# Altium PCB DIOT_Kasli_Adapter.PcbDoc (part 4 of 10) (continued)
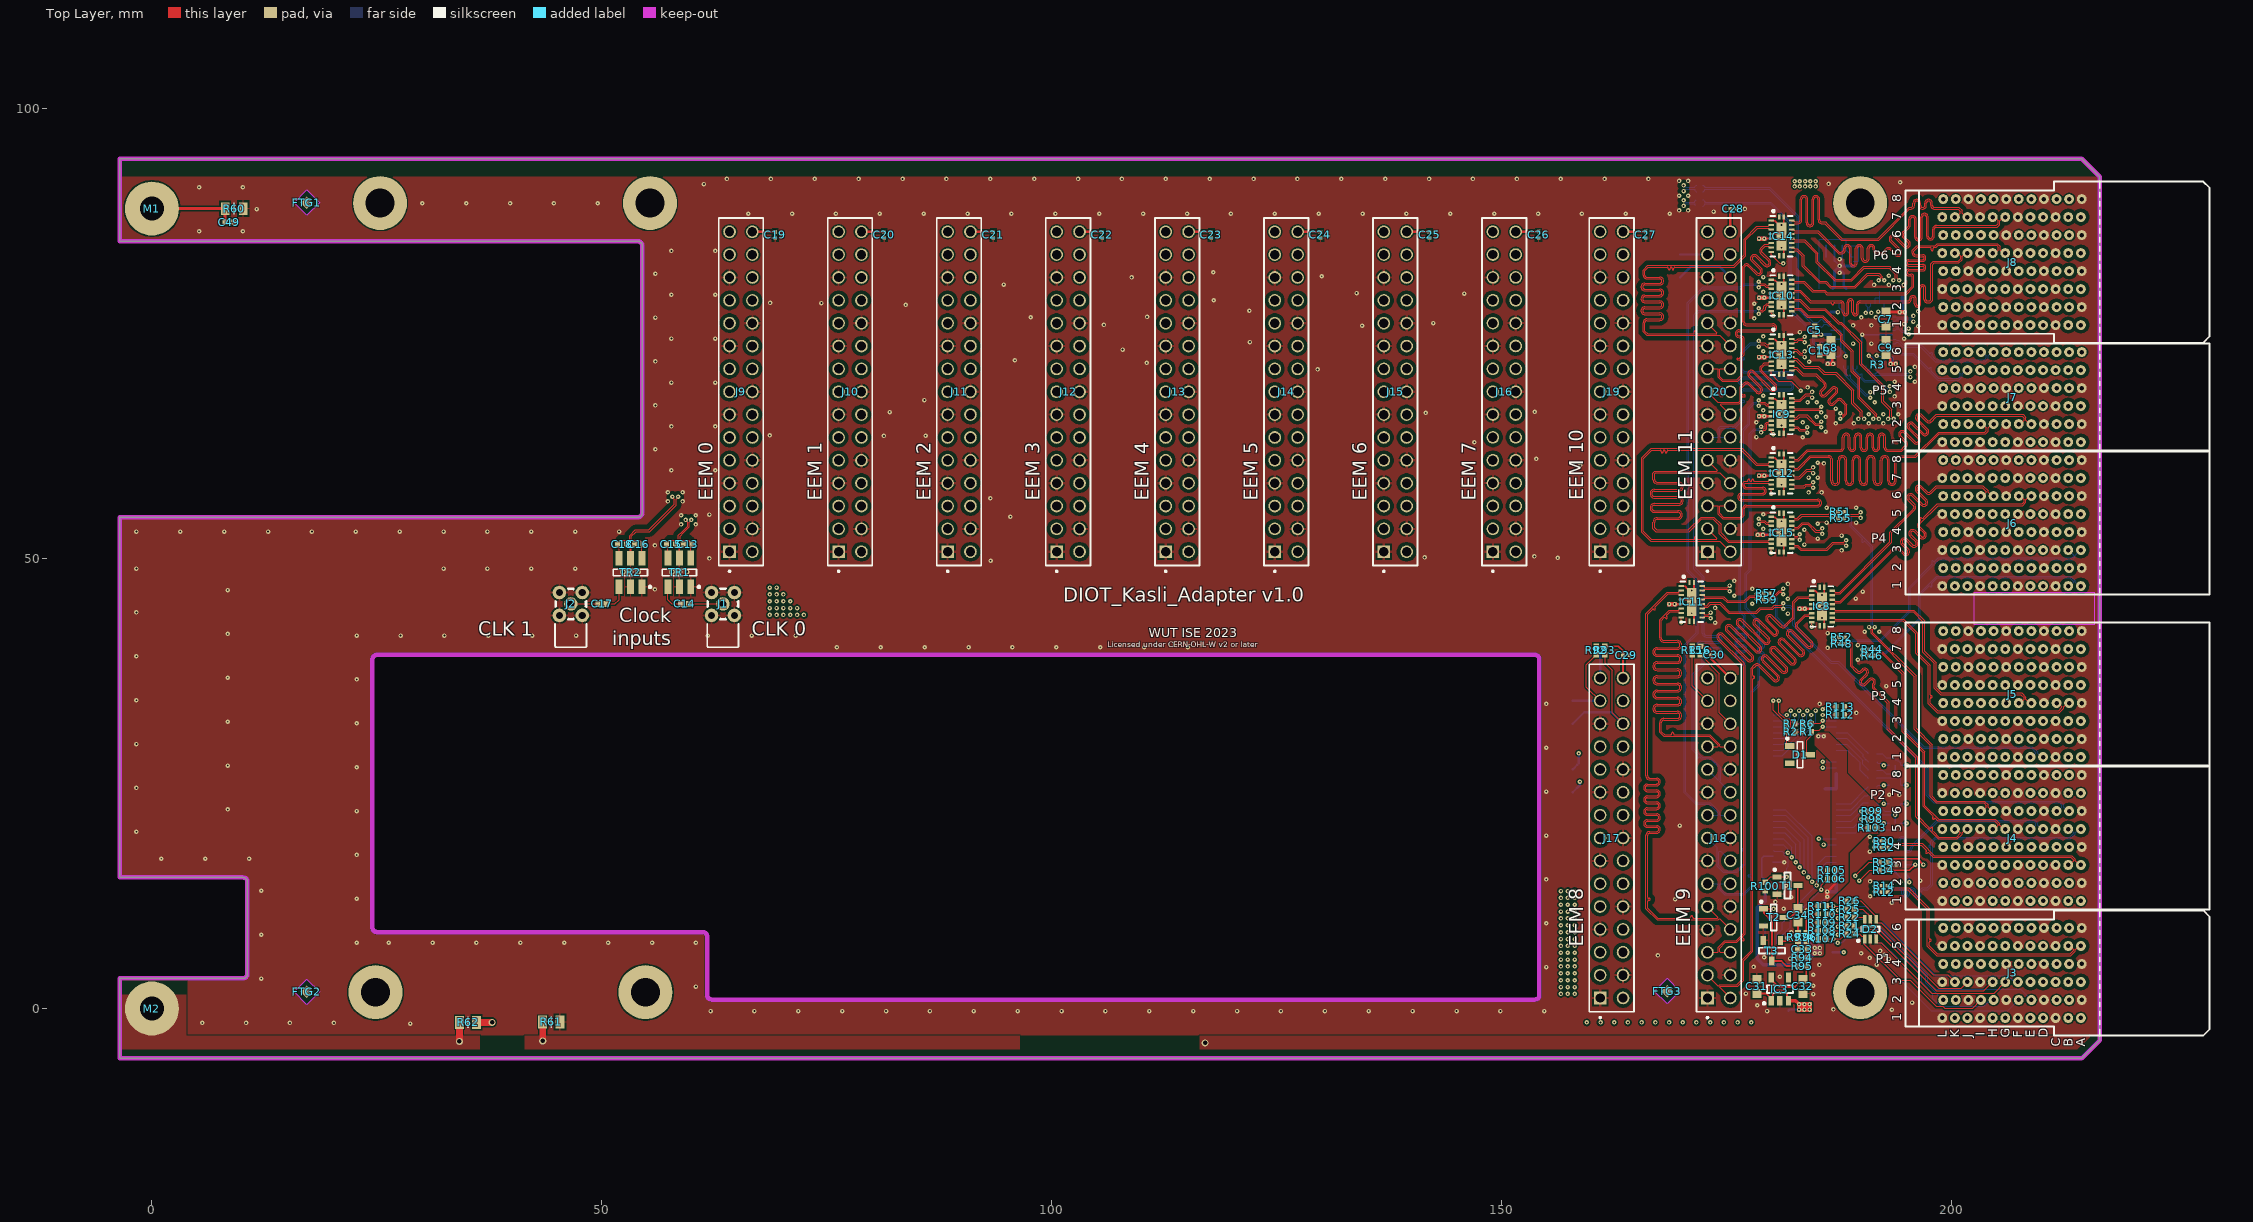
[diagram p0: Top Layer view]
## Nets (pads, with @x,y where several pads share a name; then routed paths per layer and width w, separated by ;. In a path a pad name is that pad's centre, name@x,y a point inside that pad or via, vN(x,y) a via of type N, cw(c..) or ccw(c..) an arc to the next point about the centre after c; other vN are vias at no path point) (continued)
EXT2.LVDS_5_N: J4.H3 J11.18 | length 165.5
  L3 w0.089: J11.18@90.968,71.082 89.851,71.082 89.799,71.03 89.799,70.535 90.4,69.934 91.973,69.934 92.246,69.934 ccw(c92.246,70.042) 92.354,70.042 92.354,70.077 cw(c92.462,70.077) 92.57,70.077 92.57,70.042 ccw(c92.678,70.042) 92.678,69.934 92.939,69.934 94.745,69.934 96.901,67.778 96.901,66.167 96.901,65.493 cw(c96.425,65.493) 96.425,65.017 95.954,65.017 ccw(c95.954,64.782) 95.954,64.547 97.158,64.547 cw(c97.158,64.07) 97.158,63.594 95.954,63.594 ccw(c95.954,63.359) 95.954,63.124 97.158,63.124 cw(c97.158,62.648) 97.158,62.172 95.954,62.172 ccw(c95.954,61.937) 95.954,61.702 97.158,61.702 cw(c97.158,61.226) 97.158,60.749 95.954,60.749 ccw(c95.954,60.514) 95.954,60.279 97.158,60.279 cw(c97.158,59.803) 97.158,59.327 95.954,59.327 ccw(c95.954,59.092) 95.954,58.857 96.425,58.857 cw(c96.425,58.381) 96.901,58.381 96.901,58.216 96.901,55.093 99.835,52.159 105.784,52.159 111.168,46.775 156.838,46.775 170.501,33.112 176.253,33.112 182.179,27.185 182.179,26.109 185.649,22.639 185.649,20.818 190.511,15.956 192.83,15.956 193.687,15.099 197.714,15.099 197.936,15.099 ccw(c197.936,15.207) 198.044,15.207 198.044,15.305 cw(c198.152,15.305) 198.26,15.305 198.26,15.207 ccw(c198.368,15.207) 198.368,15.099 198.628,15.099 204.99,15.099 205.148,15.257 205.148,15.371 205.115,15.404 J4.H3@204.569,15.95
EXT2.LVDS_5_P: J4.G3 J11.17 | length 165.5
  L3 w0.089: J11.17@88.428,71.082 89.505,71.082 89.557,71.03 89.557,70.435 90.3,69.693 94.645,69.693 96.66,67.678 96.66,66.167 96.66,65.493 cw(c96.425,65.493) 96.425,65.258 95.954,65.258 ccw(c95.954,64.782) 95.954,64.305 97.158,64.305 cw(c97.158,64.07) 97.158,63.835 95.954,63.835 ccw(c95.954,63.359) 95.954,62.883 97.158,62.883 cw(c97.158,62.648) 97.158,62.413 95.954,62.413 ccw(c95.954,61.937) 95.954,61.461 97.158,61.461 cw(c97.158,61.226) 97.158,60.991 95.954,60.991 ccw(c95.954,60.514) 95.954,60.038 97.158,60.038 cw(c97.158,59.803) 97.158,59.568 95.954,59.568 ccw(c95.954,59.092) 95.954,58.616 96.425,58.616 cw(c96.425,58.381) 96.66,58.381 96.66,58.216 96.66,54.993 99.735,51.918 105.684,51.918 111.068,46.534 156.738,46.534 170.401,32.871 176.153,32.871 181.938,27.085 181.938,26.009 185.407,22.539 185.407,20.718 190.411,15.715 192.73,15.715 193.587,14.857 205.09,14.857 205.389,15.157 205.389,15.371 J4.G3@205.969,15.95
EXT2.LVDS_6_N: J4.K3 J11.21 | length 165.5
  L10 w0.089: J11.21@88.428,76.162 89.576,75.014 89.757,75.014 89.826,75.083 92.263,75.083 94.499,72.847 94.499,71.552 94.499,71.387 ccw(c94.734,71.387) 94.734,71.152 95,71.152 cw(c95,70.675) 95,70.199 93.776,70.199 ccw(c93.776,69.964) 93.776,69.729 95,69.729 cw(c95,69.253) 95,68.777 93.776,68.777 ccw(c93.776,68.542) 93.776,68.307 95,68.307 cw(c95,67.831) 95,67.354 93.776,67.354 ccw(c93.776,67.119) 93.776,66.885 95,66.885 cw(c95,66.408) 95,65.932 93.776,65.932 ccw(c93.776,65.697) 93.776,65.462 95,65.462 cw(c95,64.986) 95,64.51 94.734,64.51 ccw(c94.734,64.275) 94.499,64.275 94.499,63.373 94.499,51.932 100.436,45.995 117.606,45.995 120.515,43.087 142.996,43.087 143.844,42.239 156.491,42.239 159.947,38.783 164.011,38.783 172.248,30.545 176.376,30.545 191.808,15.114 200.71,15.114 200.948,15.352 200.948,15.539 200.537,15.95 J4.K3@200.369,15.95
EXT2.LVDS_6_P: J4.J3 J11.20 | length 165.6
  L10 w0.089: J11.20@90.968,73.622 89.874,74.716 89.874,74.79 89.926,74.842 92.163,74.842 94.258,72.747 94.258,71.552 94.258,71.387 ccw(c94.734,71.387) 94.734,70.91 95,70.91 cw(c95,70.675) 95,70.441 93.776,70.441 ccw(c93.776,69.964) 93.776,69.488 95,69.488 cw(c95,69.253) 95,69.018 93.776,69.018 ccw(c93.776,68.542) 93.776,68.066 95,68.066 cw(c95,67.831) 95,67.596 93.776,67.596 ccw(c93.776,67.119) 93.776,66.643 95,66.643 cw(c95,66.408) 95,66.173 93.776,66.173 ccw(c93.776,65.697) 93.776,65.221 95,65.221 cw(c95,64.986) 95,64.751 94.734,64.751 ccw(c94.734,64.275) 94.258,64.275 94.258,63.373 94.258,51.832 100.336,45.754 117.506,45.754 120.415,42.846 142.896,42.846 143.744,41.998 156.391,41.998 159.847,38.541 163.911,38.541 172.148,30.304 176.276,30.304 191.708,14.873 200.81,14.873 201.189,15.252 201.189,15.559 201.581,15.95 J4.J3@201.769,15.95
EXT2.LVDS_7_N: J4.C4 J11.24 | length 165.6
  L10 w0.089: J11.24@90.968,78.702 89.871,78.702 89.819,78.65 89.819,78.129 90.265,77.683 92.124,77.683 92.193,77.614 92.352,77.455 ccw(c92.428,77.532) 92.504,77.455 92.541,77.493 cw(c92.618,77.416) 92.694,77.493 cw(c92.618,77.416) 92.694,77.34 92.657,77.303 ccw(c92.733,77.226) 92.657,77.15 92.841,76.966 97.749,72.058 97.749,51.019 101.308,47.46 117.513,47.46 120.908,44.065 143.295,44.065 144.169,43.191 157.574,43.191 160.551,40.213 164.663,40.213 171.778,33.098 178.408,33.098 182.563,28.943 186.46,28.943 191.434,23.969 191.434,20.452 194.797,17.089 197.434,17.089 197.606,17.089 ccw(c197.606,17.197) 197.714,17.197 197.714,17.302 cw(c197.822,17.302) 197.929,17.302 197.929,17.197 ccw(c198.037,17.197) 198.037,17.089 198.298,17.089 211.973,17.089 212.248,17.364 212.248,17.539 211.837,17.95 J4.C4@211.669,17.95
EXT2.LVDS_7_P: J4.B4 J11.23 | length 165.6
  L10 w0.089: J11.23@88.428,78.702 89.525,78.702 89.577,78.65 89.577,78.029 90.165,77.441 92.024,77.441 97.508,71.958 97.508,50.919 101.208,47.219 117.413,47.219 120.808,43.823 143.195,43.823 144.069,42.949 157.474,42.949 160.451,39.972 164.563,39.972 171.678,32.857 178.308,32.857 182.463,28.702 186.36,28.702 191.193,23.869 191.193,20.352 194.697,16.848 212.073,16.848 212.489,17.264 212.489,17.559 212.881,17.95 J4.B4@213.069,17.95
EXT3.LVDS_0_N: J4.F4 J12.3 | length 144.5
  L4 w0.089: J12.3@100.547,53.302 101.731,52.118 101.983,52.118 102.016,52.152 104.818,52.152 105.104,51.866 105.221,51.749 ccw(c105.387,51.915) 105.553,51.749 105.964,52.16 105.968,52.16 cw(c106.265,51.787) 106.602,52.124 cw(c106.265,51.787) 106.602,51.451 105.599,50.447 ; 105.598,50.115 cw(c105.764,50.281) 105.598,50.447 ; 105.598,50.114 ccw(c105.764,50.281) 105.93,50.115 106.97,51.154 106.974,51.154 cw(c107.271,50.782) 107.608,51.118 cw(c107.271,50.782) 107.608,50.445 106.604,49.442 ; 106.604,49.109 cw(c106.77,49.275) 106.604,49.441 ; 106.604,49.108 ccw(c106.77,49.275) 106.936,49.109 107.062,49.235 cw(c107.399,48.898) 107.735,49.235 108.178,48.792 108.322,48.648 117.475,48.648 117.64,48.648 ccw(c117.64,48.883) 117.875,48.883 117.875,49.502 cw(c118.351,49.502) 118.828,49.502 118.828,47.994 ccw(c119.063,47.994) 119.297,47.994 119.297,49.502 cw(c119.774,49.502) 120.25,49.502 120.25,47.994 ccw(c120.485,47.994) 120.72,47.994 120.72,49.502 cw(c121.196,49.502) 121.672,49.502 121.672,47.994 ccw(c121.907,47.994) 122.142,47.994 122.142,49.502 cw(c122.619,49.502) 123.095,49.502 123.095,48.883 ccw(c123.33,48.883) 123.33,48.648 123.901,48.648 130.42,48.648 133.976,45.091 159.914,45.091 169.436,35.569 177.218,35.569 183.95,28.836 186.158,28.836 187.152,27.842 187.152,27.158 197.183,17.127 207.85,17.127 208.048,17.325 208.048,17.487 207.585,17.95 J4.F4@207.469,17.95
EXT3.LVDS_0_P: J4.E4 J12.2 | length 144.4
  L4 w0.089: J12.2@103.087,50.762 102.064,51.785 102.064,51.858 102.116,51.91 104.718,51.91 104.934,51.695 105.05,51.579 ccw(c105.387,51.915) 105.724,51.578 106.099,51.953 ; 106.099,51.954 cw(c106.265,51.787) 106.431,51.954 cw(c106.265,51.787) 106.431,51.621 105.392,50.582 105.392,50.578 ccw(c105.764,50.281) 105.427,49.944 ccw(c105.764,50.281) 106.101,49.944 107.104,50.947 ; 107.105,50.948 cw(c107.271,50.782) 107.437,50.948 cw(c107.271,50.782) 107.437,50.616 106.398,49.576 106.398,49.572 ccw(c106.77,49.275) 107.107,48.938 107.232,49.064 cw(c107.399,48.898) 107.565,49.064 108.007,48.622 108.222,48.406 117.475,48.406 117.64,48.406 ccw(c117.64,48.883) 118.116,48.883 118.116,49.502 cw(c118.351,49.502) 118.586,49.502 118.586,47.994 ccw(c119.063,47.994) 119.539,47.994 119.539,49.502 cw(c119.774,49.502) 120.009,49.502 120.009,47.994 ccw(c120.485,47.994) 120.961,47.994 120.961,49.502 cw(c121.196,49.502) 121.431,49.502 121.431,47.994 ccw(c121.907,47.994) 122.384,47.994 122.384,49.502 cw(c122.619,49.502) 122.853,49.502 122.853,48.883 ccw(c123.33,48.883) 123.33,48.406 123.901,48.406 130.32,48.406 133.876,44.85 159.814,44.85 169.336,35.327 177.118,35.327 183.851,28.595 186.058,28.595 186.911,27.742 186.911,27.058 197.083,16.886 207.95,16.886 208.289,17.225 208.289,17.487 208.753,17.95 J4.E4@208.869,17.95
EXT3.LVDS_1_N: J4.I4 J12.6 | length 144.5
  L3 w0.089: J12.6@103.087,55.842 102.013,55.842 101.961,55.79 101.961,55.28 102.485,54.756 104.165,54.756 104.337,54.756 ccw(c104.337,54.864) 104.445,54.864 104.445,54.913 cw(c104.553,54.913) 104.661,54.913 104.661,54.864 ccw(c104.769,54.864) 104.769,54.756 105.029,54.756 106.091,54.756 106.421,54.427 106.538,54.31 ccw(c106.704,54.476) 106.87,54.31 107.343,54.784 107.347,54.784 cw(c107.645,54.412) 107.981,54.748 cw(c107.645,54.412) 107.981,54.075 107.52,53.614 ccw(c107.686,53.447) 107.519,53.281 ; 107.52,53.281 ccw(c107.686,53.447) 107.852,53.281 108.349,53.778 108.353,53.778 cw(c108.65,53.406) 108.987,53.743 cw(c108.65,53.406) 108.987,53.069 108.526,52.608 ccw(c108.692,52.441) 108.525,52.276 ; 108.526,52.275 ccw(c108.692,52.441) 108.858,52.275 109.355,52.772 109.359,52.772 cw(c109.656,52.4) 109.993,52.737 cw(c109.656,52.4) 109.993,52.063 109.532,51.602 ccw(c109.698,51.436) 109.531,51.27 ; 109.532,51.269 ccw(c109.698,51.436) 109.864,51.269 110.361,51.766 110.365,51.766 cw(c110.662,51.394) 110.999,51.731 cw(c110.662,51.394) 110.999,51.057 110.561,50.619 ccw(c110.727,50.453) 110.56,50.287 111.145,49.702 113.007,47.841 117.958,47.841 118.123,47.841 ccw(c118.123,48.076) 118.358,48.076 118.358,48.35 cw(c118.834,48.35) 119.31,48.35 119.31,48.025 ccw(c119.545,48.025) 119.78,48.025 119.78,48.35 cw(c120.256,48.35) 120.733,48.35 120.733,48.025 ccw(c120.968,48.025) 121.202,48.025 121.202,48.35 cw(c121.679,48.35) 122.155,48.35 122.155,48.076 ccw(c122.39,48.076) 122.39,47.841 123.85,47.841 130.226,47.841 130.391,47.841 ccw(c130.391,48.076) 130.626,48.076 130.626,48.41 cw(c131.102,48.41) 131.578,48.41 131.578,47.974 ccw(c131.813,47.974) 132.048,47.974 132.048,48.41 cw(c132.525,48.41) 133.001,48.41 133.001,47.974 ccw(c133.236,47.974) 133.471,47.974 133.471,48.41 cw(c133.947,48.41) 134.423,48.41 134.423,48.076 ccw(c134.658,48.076) 134.658,47.841 135.23,47.841 142.9,47.841 143.066,47.841 ccw(c143.066,48.076) 143.3,48.076 143.3,48.474 cw(c143.777,48.474) 144.253,48.474 144.253,48 ccw(c144.488,48) 144.723,48 144.723,48.474 cw(c145.199,48.474) 145.675,48.474 145.675,48.076 ccw(c145.91,48.076) 145.91,47.841 146.456,47.841 157.226,47.841 169.469,35.598 176.019,35.598 178.334,33.283 178.334,32.701 183.477,27.559 183.477,26.402 186.61,23.268 186.61,21.191 190.762,17.039 197.637,17.039 197.682,17.039 ccw(c197.682,17.147) 197.79,17.147 197.79,17.279 cw(c197.898,17.279) 198.006,17.279 198.006,17.147 ccw(c198.114,17.147) 198.114,17.039 198.323,17.039 203.546,17.039 203.848,17.341 203.848,17.539 203.437,17.95 J4.I4@203.269,17.95
EXT3.LVDS_1_P: J4.H4 J12.5 | length 144.5
  L3 w0.089: J12.5@100.547,55.842 101.667,55.842 101.72,55.79 101.72,55.18 102.385,54.515 105.991,54.515 106.25,54.256 106.366,54.14 ccw(c106.704,54.476) 107.04,54.139 107.478,54.577 cw(c107.645,54.412) 107.811,54.578 cw(c107.645,54.412) 107.811,54.245 107.314,53.749 107.314,53.744 ccw(c107.686,53.447) 107.349,53.11 ccw(c107.686,53.447) 108.023,53.11 108.484,53.571 cw(c108.65,53.406) 108.817,53.572 cw(c108.65,53.406) 108.817,53.24 108.32,52.743 108.32,52.739 ccw(c108.692,52.441) 109.029,52.105 109.49,52.566 cw(c109.656,52.4) 109.822,52.566 cw(c109.656,52.4) 109.822,52.234 109.325,51.737 109.325,51.733 ccw(c109.698,51.436) 110.034,51.099 110.495,51.56 cw(c110.662,51.394) 110.828,51.56 cw(c110.662,51.394) 110.828,51.228 110.39,50.79 ccw(c110.727,50.453) 110.391,50.116 110.974,49.532 112.907,47.6 117.958,47.6 118.123,47.6 ccw(c118.123,48.076) 118.599,48.076 118.599,48.35 cw(c118.834,48.35) 119.069,48.35 119.069,48.025 ccw(c119.545,48.025) 120.021,48.025 120.021,48.35 cw(c120.256,48.35) 120.491,48.35 120.491,48.025 ccw(c120.968,48.025) 121.444,48.025 121.444,48.35 cw(c121.679,48.35) 121.914,48.35 121.914,48.076 ccw(c122.39,48.076) 122.39,47.6 123.85,47.6 130.226,47.6 130.391,47.6 ccw(c130.391,48.076) 130.867,48.076 130.867,48.41 cw(c131.102,48.41) 131.337,48.41 131.337,47.974 ccw(c131.813,47.974) 132.29,47.974 132.29,48.41 cw(c132.525,48.41) 132.759,48.41 132.759,47.974 ccw(c133.236,47.974) 133.712,47.974 133.712,48.41 cw(c133.947,48.41) 134.182,48.41 134.182,48.076 ccw(c134.658,48.076) 134.658,47.6 135.23,47.6 142.9,47.6 143.066,47.6 ccw(c143.066,48.076) 143.542,48.076 143.542,48.474 cw(c143.777,48.474) 144.012,48.474 144.012,48 ccw(c144.488,48) 144.964,48 144.964,48.474 cw(c145.199,48.474) 145.434,48.474 145.434,48.076 ccw(c145.91,48.076) 145.91,47.6 146.456,47.6 157.126,47.6 169.369,35.357 175.919,35.357 178.093,33.183 178.093,32.601 183.236,27.459 183.236,26.302 186.369,23.168 186.369,21.091 190.662,16.798 203.646,16.798 204.089,17.242 204.089,17.559 204.481,17.95 J4.H4@204.669,17.95
EXT3.LVDS_2_N: J4.L4 J12.9 | length 144.5
  L10 w0.089: J12.9@100.547,60.922 101.779,59.69 101.779,59.438 101.745,59.405 101.745,57.721 102.49,56.976 103.867,56.976 104.958,55.885 105.074,55.769 ccw(c105.411,56.105) 105.748,55.768 106.291,56.311 ; 106.292,56.312 cw(c106.458,56.146) 106.624,56.312 cw(c106.458,56.146) 106.624,55.98 105.147,54.503 105.147,54.498 ccw(c105.519,54.201) 105.182,53.864 ccw(c105.519,54.201) 105.856,53.864 107.297,55.306 ; 107.297,55.306 cw(c107.464,55.14) 107.63,55.306 cw(c107.464,55.14) 107.63,54.974 106.153,53.497 106.153,53.493 ccw(c106.525,53.195) 106.862,52.859 108.303,54.3 ; 108.303,54.3 cw(c108.469,54.134) 108.636,54.3 cw(c108.469,54.134) 108.636,53.968 107.159,52.491 107.159,52.487 ccw(c107.531,52.19) 107.867,51.853 109.309,53.294 ; 109.309,53.295 cw(c109.475,53.128) 109.641,53.295 cw(c109.475,53.128) 109.641,52.962 108.164,51.485 108.164,51.481 ccw(c108.536,51.184) 108.873,50.847 110.314,52.288 ; 110.315,52.289 cw(c110.481,52.123) 110.647,52.289 cw(c110.481,52.123) 110.647,51.956 110.104,51.413 ccw(c110.44,51.076) 110.104,50.739 110.711,50.132 112.202,48.641 117.636,48.641 121.498,44.779 143.691,44.779 144.638,43.831 158.534,43.831 160.993,41.373 165.652,41.373 171.627,35.397 181.094,35.397 181.72,34.771 188.887,34.771 197.14,26.518 197.14,20.121 198.456,18.805 199.391,18.805 199.648,18.549 199.648,18.361 199.237,17.95 J4.L4@199.069,17.95
EXT3.LVDS_2_P: J4.K4 J12.8 | length 144.5
  L10 w0.089: J12.8@103.087,58.382 102.112,59.357 102.039,59.357 101.987,59.305 101.987,57.821 102.589,57.218 103.966,57.218 104.024,57.161 104.182,57.002 ccw(c104.258,57.079) 104.334,57.002 104.462,57.129 cw(c104.538,57.053) 104.614,57.129 cw(c104.538,57.053) 104.614,56.977 104.487,56.85 ccw(c104.563,56.773) 104.487,56.697 104.671,56.513 105.128,56.056 105.246,55.939 ccw(c105.411,56.105) 105.577,55.939 106.156,56.518 106.161,56.518 cw(c106.458,56.146) 106.795,56.482 cw(c106.458,56.146) 106.795,55.809 105.353,54.368 ; 105.353,54.035 cw(c105.519,54.201) 105.353,54.367 ; 105.353,54.035 ccw(c105.519,54.201) 105.685,54.035 107.162,55.512 107.166,55.512 cw(c107.464,55.14) 107.8,55.477 cw(c107.464,55.14) 107.8,54.803 106.359,53.362 ; 106.358,53.03 cw(c106.525,53.195) 106.359,53.362 ; 106.359,53.029 ccw(c106.525,53.195) 106.691,53.029 108.168,54.506 108.172,54.506 cw(c108.469,54.134) 108.806,54.471 cw(c108.469,54.134) 108.806,53.797 107.365,52.356 ; 107.364,52.024 cw(c107.531,52.19) 107.365,52.356 ; 107.365,52.023 ccw(c107.531,52.19) 107.697,52.024 109.174,53.5 109.178,53.5 cw(c109.475,53.128) 109.812,53.465 cw(c109.475,53.128) 109.812,52.792 108.371,51.351 ; 108.37,51.018 cw(c108.536,51.184) 108.37,51.35 ; 108.371,51.017 ccw(c108.536,51.184) 108.703,51.018 110.18,52.495 110.184,52.495 cw(c110.481,52.123) 110.818,52.459 cw(c110.481,52.123) 110.818,51.786 110.274,51.242 ccw(c110.44,51.076) 110.274,50.91 110.882,50.303 112.302,48.882 117.736,48.882 121.598,45.02 143.791,45.02 144.738,44.073 158.634,44.073 161.093,41.614 165.752,41.614 171.727,35.639 181.194,35.639 181.82,35.013 188.987,35.013 197.382,26.618 197.382,20.221 198.556,19.047 199.491,19.047 199.889,18.649 199.889,18.341 200.281,17.95 J4.K4@200.469,17.95
EXT3.LVDS_3_N: J8.C2 J12.12 | length 144.4
  L6 w0.089: J12.12@103.087,63.462 101.964,63.462 101.886,63.384 101.886,62.847 102.493,62.241 104.089,62.241 104.311,62.241 ccw(c104.311,62.348) 104.419,62.348 104.419,62.402 cw(c104.527,62.402) 104.635,62.402 104.635,62.348 ccw(c104.743,62.348) 104.743,62.241 105.004,62.241 108.087,62.241 110.68,64.834 116.764,64.834 117.577,64.834 cw(c117.577,64.383) 118.027,64.383 118.027,64.005 ccw(c118.262,64.005) 118.497,64.005 118.497,65.043 cw(c118.948,65.043) 119.399,65.043 119.399,64.005 ccw(c119.634,64.005) 119.869,64.005 119.869,65.043 cw(c120.32,65.043) 120.771,65.043 120.771,64.005 ccw(c121.006,64.005) 121.241,64.005 121.241,65.043 cw(c121.691,65.043) 122.142,65.043 122.142,64.005 ccw(c122.377,64.005) 122.612,64.005 122.612,64.383 cw(c123.063,64.383) 123.063,64.834 123.215,64.834 128.697,64.834 129.261,64.834 cw(c129.261,64.383) 129.711,64.383 129.711,64.335 ccw(c129.946,64.335) 130.181,64.335 130.181,65.292 cw(c130.632,65.292) 131.083,65.292 131.083,64.335 ccw(c131.318,64.335) 131.553,64.335 131.553,65.292 cw(c132.004,65.292) 132.455,65.292 132.455,64.335 ccw(c132.69,64.335) 132.925,64.335 132.925,65.292 cw(c133.375,65.292) 133.826,65.292 133.826,64.335 ccw(c134.061,64.335) 134.296,64.335 134.296,64.383 cw(c134.747,64.383) 134.747,64.834 134.899,64.834 141.707,64.834 143.002,64.834 cw(c143.002,64.383) 143.453,64.383 143.453,63.9 ccw(c143.688,63.9) 143.923,63.9 143.923,65.173 cw(c144.374,65.173) 144.824,65.173 144.824,63.9 ccw(c145.059,63.9) 145.294,63.9 145.294,64.383 cw(c145.745,64.383) 145.745,64.834 145.898,64.834 167.855,64.834 170.419,67.397 176.572,67.397 178.644,69.469 182.212,69.469 182.844,70.101 190.449,70.101 193.661,73.313 194.686,73.313 197.897,76.524 197.929,76.556 ccw(c197.852,76.632) 197.929,76.708 197.903,76.734 cw(c197.979,76.811) 197.903,76.887 cw(c197.979,76.811) 198.055,76.887 198.081,76.861 ccw(c198.158,76.937) 198.234,76.861 198.355,76.981 198.385,77.012 211.942,77.012 212.261,77.331 212.261,77.534 211.845,77.95 J8.C2@211.669,77.95
EXT3.LVDS_3_P: J8.B2 J12.11 | length 144.4
  L6 w0.089: J12.11@100.547,63.462 101.644,63.462 101.67,63.436 101.67,62.758 102.404,62.025 108.176,62.025 110.769,64.618 116.764,64.618 117.577,64.618 cw(c117.577,64.383) 117.812,64.383 117.812,64.005 ccw(c118.262,64.005) 118.713,64.005 118.713,65.043 cw(c118.948,65.043) 119.183,65.043 119.183,64.005 ccw(c119.634,64.005) 120.085,64.005 120.085,65.043 cw(c120.32,65.043) 120.555,65.043 120.555,64.005 ccw(c121.006,64.005) 121.456,64.005 121.456,65.043 cw(c121.691,65.043) 121.926,65.043 121.926,64.005 ccw(c122.377,64.005) 122.828,64.005 122.828,64.383 cw(c123.063,64.383) 123.063,64.618 123.215,64.618 128.697,64.618 129.261,64.618 cw(c129.261,64.383) 129.496,64.383 129.496,64.335 ccw(c129.946,64.335) 130.397,64.335 130.397,65.292 cw(c130.632,65.292) 130.867,65.292 130.867,64.335 ccw(c131.318,64.335) 131.769,64.335 131.769,65.292 cw(c132.004,65.292) 132.239,65.292 132.239,64.335 ccw(c132.69,64.335) 133.14,64.335 133.14,65.292 cw(c133.375,65.292) 133.61,65.292 133.61,64.335 ccw(c134.061,64.335) 134.512,64.335 134.512,64.383 cw(c134.747,64.383) 134.747,64.618 134.899,64.618 141.707,64.618 143.002,64.618 cw(c143.002,64.383) 143.237,64.383 143.237,63.9 ccw(c143.688,63.9) 144.139,63.9 144.139,65.173 cw(c144.374,65.173) 144.609,65.173 144.609,63.9 ccw(c145.059,63.9) 145.51,63.9 145.51,64.383 cw(c145.745,64.383) 145.745,64.618 145.898,64.618 167.945,64.618 170.508,67.181 176.661,67.181 178.733,69.253 182.301,69.253 182.933,69.885 190.538,69.885 193.75,73.097 194.776,73.097 198.475,76.796 212.031,76.796 212.477,77.242 212.477,77.547 212.88,77.95 J8.B2@213.069,77.95
EXT3.LVDS_4_N: J8.F2 J12.15 | length 144.5
  L6 w0.089: J12.15@100.547,68.542 101.723,67.366 101.723,67.114 101.697,67.088 101.697,65.486 102.585,64.598 107.905,64.598 110.402,67.095 117.145,67.095 117.297,67.095 ccw(c117.297,67.546) 117.748,67.546 117.748,68.043 cw(c117.983,68.043) 118.218,68.043 118.218,66.675 ccw(c118.669,66.675) 119.12,66.675 119.12,68.043 cw(c119.355,68.043) 119.59,68.043 119.59,66.675 ccw(c120.04,66.675) 120.491,66.675 120.491,68.043 cw(c120.726,68.043) 120.961,68.043 120.961,66.675 ccw(c121.412,66.675) 121.863,66.675 121.863,66.86 cw(c122.098,66.86) 122.098,67.095 123.012,67.095 129.819,67.095 129.972,67.095 ccw(c129.972,67.546) 130.423,67.546 130.423,68.105 cw(c130.658,68.105) 130.893,68.105 130.893,66.764 ccw(c131.343,66.764) 131.794,66.764 131.794,68.105 cw(c132.029,68.105) 132.264,68.105 132.264,66.764 ccw(c132.715,66.764) 133.166,66.764 133.166,68.105 cw(c133.401,68.105) 133.636,68.105 133.636,66.764 ccw(c134.087,66.764) 134.537,66.764 134.537,66.86 cw(c134.772,66.86) 134.772,67.095 135.763,67.095 141.402,67.095 141.554,67.095 ccw(c141.554,67.546) 142.005,67.546 142.005,68.311 cw(c142.24,68.311) 142.475,68.311 142.475,66.885 ccw(c142.926,66.885) 143.377,66.885 143.377,68.311 cw(c143.612,68.311) 143.847,68.311 143.847,67.546 ccw(c144.297,67.546) 144.297,67.095 145.517,67.095 167.092,67.095 169.621,69.623 177.472,69.623 178.241,70.393 182.018,70.393 182.58,70.955 184.62,70.955 187.02,73.354 187.02,75.105 190.134,78.219 197.109,78.219 197.713,78.823 207.688,78.823 208.061,78.45 208.061,78.376 207.634,77.95 J8.F2@207.469,77.95
EXT3.LVDS_4_P: J8.E2 J12.14 | length 144.5
  L6 w0.089: J12.14@103.087,66.002 102.039,67.05 101.965,67.05 101.913,66.998 101.913,65.575 102.674,64.814 104.115,64.814 104.362,64.814 ccw(c104.362,64.922) 104.47,64.922 104.47,65.004 cw(c104.578,65.004) 104.686,65.004 104.686,64.922 ccw(c104.794,64.922) 104.794,64.814 105.054,64.814 107.816,64.814 110.313,67.311 117.145,67.311 117.297,67.311 ccw(c117.297,67.546) 117.532,67.546 117.532,68.043 cw(c117.983,68.043) 118.434,68.043 118.434,66.675 ccw(c118.669,66.675) 118.904,66.675 118.904,68.043 cw(c119.355,68.043) 119.805,68.043 119.805,66.675 ccw(c120.04,66.675) 120.275,66.675 120.275,68.043 cw(c120.726,68.043) 121.177,68.043 121.177,66.675 ccw(c121.412,66.675) 121.647,66.675 121.647,66.86 cw(c122.098,66.86) 122.098,67.311 123.012,67.311 129.819,67.311 129.972,67.311 ccw(c129.972,67.546) 130.207,67.546 130.207,68.105 cw(c130.658,68.105) 131.108,68.105 131.108,66.764 ccw(c131.343,66.764) 131.578,66.764 131.578,68.105 cw(c132.029,68.105) 132.48,68.105 132.48,66.764 ccw(c132.715,66.764) 132.95,66.764 132.95,68.105 cw(c133.401,68.105) 133.852,68.105 133.852,66.764 ccw(c134.087,66.764) 134.322,66.764 134.322,66.86 cw(c134.772,66.86) 134.772,67.311 135.763,67.311 141.402,67.311 141.554,67.311 ccw(c141.554,67.546) 141.789,67.546 141.789,68.311 cw(c142.24,68.311) 142.691,68.311 142.691,66.885 ccw(c142.926,66.885) 143.161,66.885 143.161,68.311 cw(c143.612,68.311) 144.062,68.311 144.062,67.546 ccw(c144.297,67.546) 144.297,67.311 145.517,67.311 167.003,67.311 169.531,69.839 177.382,69.839 178.152,70.608 181.928,70.608 182.49,71.171 184.531,71.171 186.804,73.444 186.804,75.194 190.045,78.434 197.019,78.434 197.623,79.039 207.778,79.039 208.277,78.539 208.277,78.376 208.703,77.95 J8.E2@208.869,77.95
EXT3.LVDS_5_N: J8.I2 J12.18 | length 144.4
  L7 w0.089: J12.18@103.087,71.082 101.964,71.082 101.886,71.004 101.886,70.657 102.599,69.945 104.064,69.945 104.261,69.945 ccw(c104.261,70.053) 104.369,70.053 104.369,70.057 cw(c104.477,70.057) 104.584,70.057 104.584,70.053 ccw(c104.692,70.053) 104.692,69.945 104.953,69.945 106.749,69.945 111.857,75.053 116.302,75.053 123.89,82.64 129.261,82.64 130.099,82.64 ccw(c130.099,82.875) 130.334,82.875 130.334,83.038 cw(c130.785,83.038) 131.235,83.038 131.235,81.605 ccw(c131.47,81.605) 131.705,81.605 131.705,83.038 cw(c132.156,83.038) 132.607,83.038 132.607,81.605 ccw(c132.842,81.605) 133.077,81.605 133.077,83.038 cw(c133.528,83.038) 133.979,83.038 133.979,81.605 ccw(c134.214,81.605) 134.449,81.605 134.449,82.189 cw(c134.899,82.189) 134.899,82.64 135.052,82.64 142.138,82.64 142.291,82.64 ccw(c142.291,82.875) 142.526,82.875 142.526,82.955 cw(c142.977,82.955) 143.427,82.955 143.427,81.605 ccw(c143.662,81.605) 143.897,81.605 143.897,82.955 cw(c144.348,82.955) 144.799,82.955 144.799,81.605 ccw(c145.034,81.605) 145.269,81.605 145.269,82.955 cw(c145.72,82.955) 146.171,82.955 146.171,81.605 ccw(c146.406,81.605) 146.641,81.605 146.641,82.189 cw(c147.091,82.189) 147.091,82.64 147.777,82.64 153.467,82.64 153.619,82.64 ccw(c153.619,82.875) 153.854,82.875 153.854,83.059 cw(c154.305,83.059) 154.756,83.059 154.756,81.652 ccw(c154.991,81.652) 155.226,81.652 155.226,83.059 cw(c155.677,83.059) 156.127,83.059 156.127,81.652 ccw(c156.362,81.652) 156.597,81.652 156.597,83.059 cw(c157.048,83.059) 157.499,83.059 157.499,81.652 ccw(c157.734,81.652) 157.969,81.652 157.969,82.189 cw(c158.42,82.189) 158.42,82.64 159.246,82.64 179.298,82.64 180.253,81.686 182.393,81.686 184.621,79.457 196.103,79.457 197.521,78.039 197.552,78.008 ccw(c197.629,78.084) 197.705,78.008 197.755,78.058 cw(c197.831,77.981) 197.908,78.058 cw(c197.831,77.981) 197.908,77.905 197.858,77.855 ccw(c197.934,77.779) 197.858,77.703 197.991,77.569 198.461,77.1 203.672,77.1 203.891,77.319 203.891,77.436 203.376,77.95 J8.I2@203.269,77.95